# Allegro board FPGA.brd (continued)
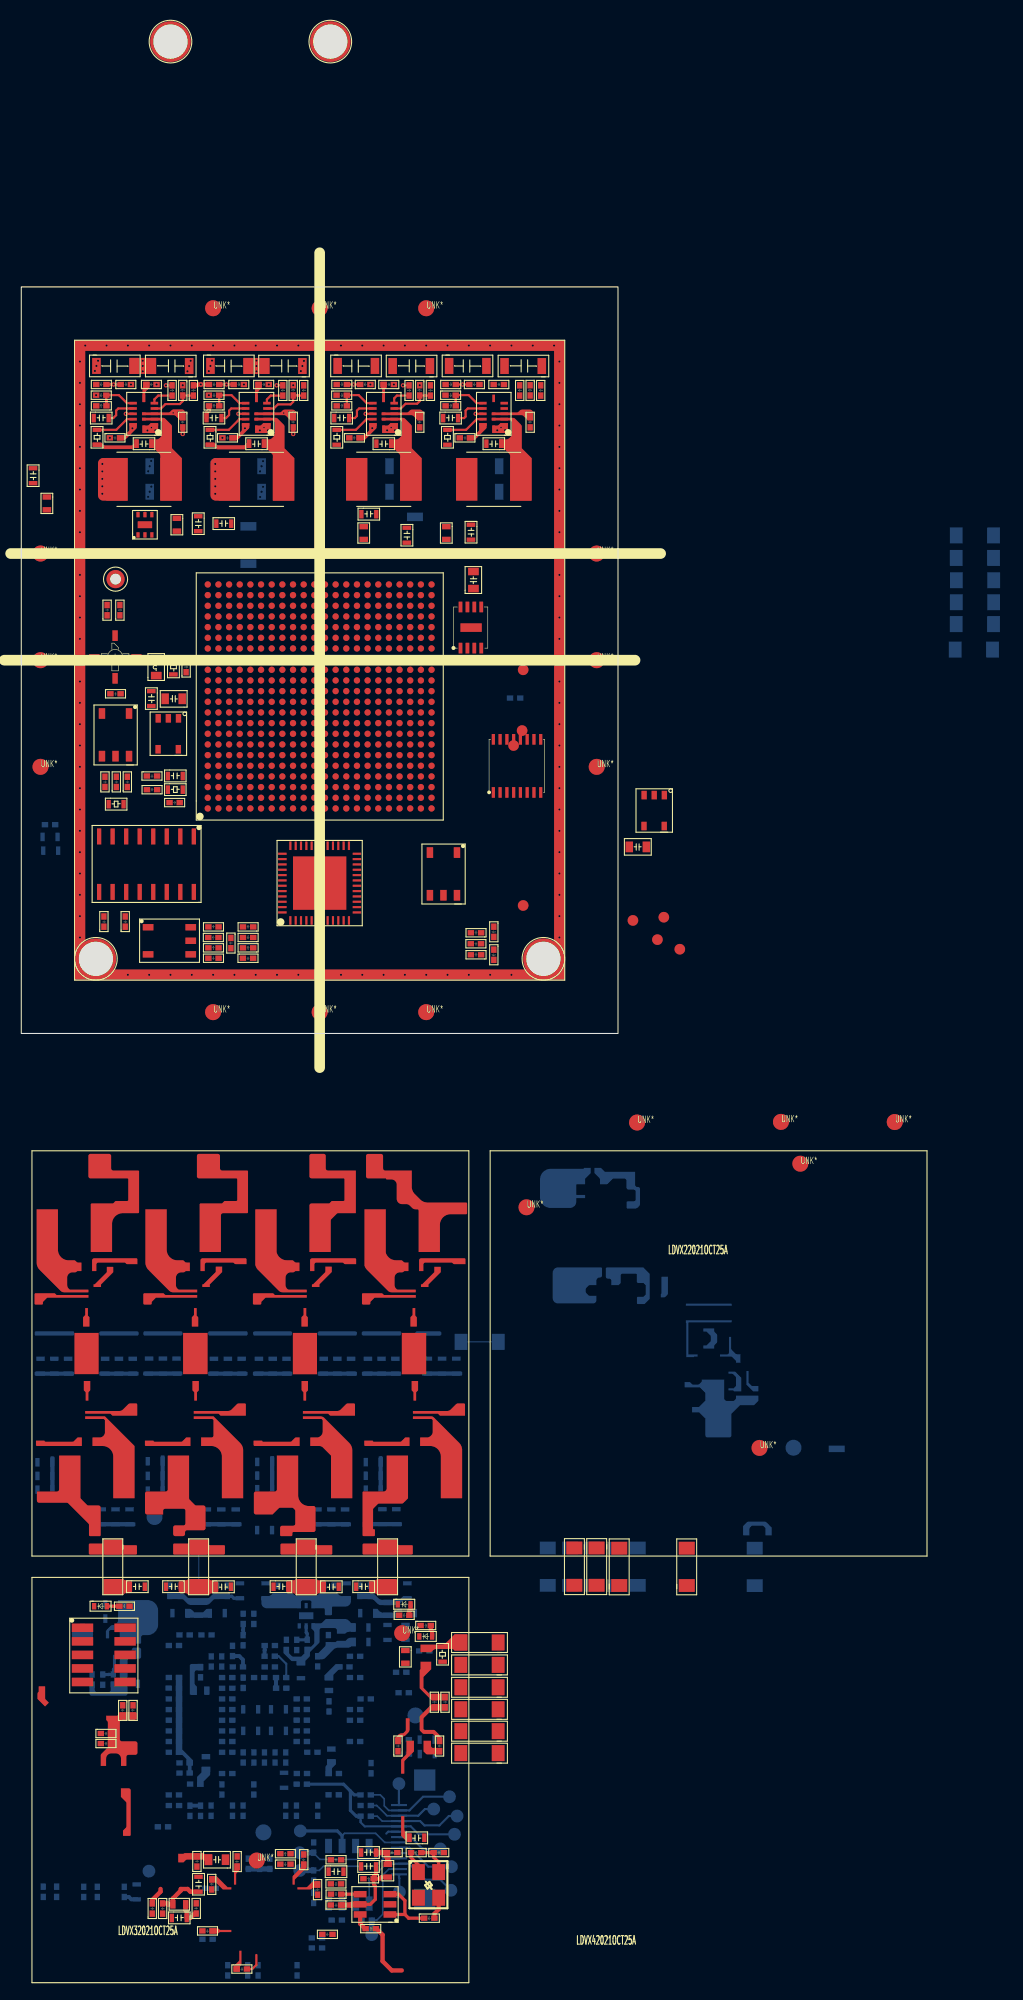
[diagram p0: board, top side]
## Nets (continued)
N8197482: R66.1 U14.5
N8200614: C126.2 L13.2 R129.1
N8200858: C127.2 L14.2 R130.1
N8201027: C128.2 L15.2 R131.1
N8201165: C129.2 L16.2 R132.1
N8449814: R317.2 U38.5(\PG\)
N8449940: R315.1 R316.2 U38.2
N8561901: R306.2 U36.5(\PG\)
N8561999: R304.1 R305.2 U36.2

Pads without a net: U18 8; U20 A3 A4 A5 A6 A7 A8 A9 A10 A11 A12 A13 A14 A19 A20 AA7 AA8 AA9 AA10 AA11 AA12 AA13 AA18 AA19 AA20 AA21 AB10 AB11 AB12 AB13 B1 B2 B3 B4 B5 B6 B7 B8 B9 B10 B11 B12 B13 B14 B19 B20 B21 C1 C2 C3 C4 C6 C7 C8 C10 C13 C15 C17 C19 C20 C21 C22 D2 D6 D7 D10 D13 D15 D17 D19 D20 D21 D22 E1 E3 E5 E6 E7 E9 E10 E11 E12 E13 E14 E15 E16 E21 E22 F1 F2 F7 F8 F9 F10 F11 F13 F14 F15 F16 F17 F19 F20 F21 F22 G3 G4 G5 G7 G8 G9 G10 G11 G13 G14 G15 G16 G17 G18 G21 G22 H1 H2 H5 H6 H7 H8 H10 H11 H14 H15 H16 H17 H18 H19 H20 H21 H22 J1 J2 J3 J4 J5 J6 J7 J8 J17 J18 J21 J22 K7 K8 K17 K18 K19 K21 K22 L6 L7 L8 L21 M3 M4 M5 M6 M7 M8 M16 M19 M20 M21 M22 N5 N6 N7 N8 N16 N17 N18 N19 N20 N21 N22 P3 P4 P5 P6 P7 P15 P16 P17 P20 P21 P22 R7 R14 R15 R16 R17 R18 R19 R20 R21 R22 T3 T4 T5 T7 T8 T9 T10 T11 T12 T13 T14 T15 T16 T17 T18 T21 T22 U7 U8 U9 U10 U11 U12 U13 U14 U15 U16 U17 U19 U20 U21 U22 V3 V6 V7 V8 V9 V10 V11 V12 V13 V14 V15 V16 V21 V22 W6 W7 W8 W10 W13 W14 W15 W17 W19 W20 W21 W22 Y6 Y7 Y8 Y10 Y13 Y17 Y21 Y22; U24 5 8 11 12; U33 43

## Via types
v1: diameter 0.4, hole 0.2, TOP to BOTTOM, 142 vias
v2: diameter 0.3, hole 0.15, TOP to BOTTOM, 8 vias
v3: diameter 0.4, hole 0.2, TOP to GND-L2, 25 vias
v4: diameter 0.4, hole 0.2, GND-L9 to BOTTOM, 12 vias

## Routing (per net, layer and track width the routed paths; a pad name or vN(x,y) marks a point on that pad's centre or on a via; arc(x,y) is an arc through that point)
3V3_FPGA: length 1.3
  BOTTOM w0.3: C456.2 19.36,-52.76 19.75,-52.76 19.95,-52.95 C455.2
3V3_FPGA_PWR: length 1.2
  TOP w0.36: C76.1 17.38,58.18 v1(17.57,58.36) 17.61,58.41 R76.2
  vias: v1(18.2,53.4) v1(18.2,52.7) v1(18.2,52) v1(18.2,51.3) v1(18.2,50.6)
5V_FPGA: length 0.4
  PWR-L6 w0.26: R317.1 6.65,-61.22 6.85,-61.42
5V_FPGA_PWR:
  vias: v1(7.6,53.4) v1(7.6,52.7) v1(7.6,52) v1(7.6,51.3) v1(7.6,50.6)
GND: length 41.5
  TOP w0.2: 22.06,-86.4 22.06,-87.33 21.67,-87.72 C242.2
  TOP w0.36: C80.2 v1(25.52,56.2) ; C79.2 v1(15.15,56.2)
  GND-L2 w0.1: 59.35,-24.63 60.95,-24.63 61.32,-25 ; 59.35,-24.63 59.72,-25 ; 59.35,-24.63 56.49,-24.63 56.37,-24.5 55.99,-24.5 ; 69.71,-32.61 71.37,-32.61 ; 69.71,-32.61 69.32,-33 ; 69.71,-32.61 66.51,-32.61 66.12,-33 ; 62.12,-29.8 61.74,-29.42 60.1,-29.42 59.72,-29.8 ; 64.52,-25 64.92,-24.61 65.72,-24.61 66.12,-25 ; 60.91,-22.99 62.51,-22.99 62.92,-23.4 ; 60.91,-22.99 59.31,-22.99 ; 60.91,-22.99 61.32,-23.4 ; 59.31,-22.99 55.56,-22.99 55.01,-23.54 ; 59.31,-22.99 59.72,-23.4 ; 67.72,-29.8 68.13,-29.39 68.91,-29.39 69.32,-29.8 ; 61.32,-26.6 60.92,-26.2 60.12,-26.2 59.72,-26.6
  BOTTOM w0.1: R231.2 R231.1 ; R289.1 R289.2
  BOTTOM w0.2: 34.26,-75.02 34.43,-74.84 J9.6
  vias: v1(5.5,63) v1(5.5,61) v1(5.5,59) v1(5.5,57) v1(5.5,55) v1(5.5,53) v1(5.5,51) v1(5.5,49) v1(5.5,47) v1(5.5,45) v1(5.5,43) v1(5.5,41) v1(5.5,39) v1(5.5,37) v1(5.5,35) v1(5.5,33) v1(5.5,31) v1(5.5,29) v1(5.5,27) v1(5.5,25) v1(5.5,23) v1(5.5,21) v1(5.5,19) v1(5.5,17) v1(5.5,15) v1(5.5,13) v1(5.5,11) v1(5.5,9) v1(6,64.5) v1(8,64.5) v1(10,64.5) v1(10,5.5) v1(11.84,56.54) v1(12,64.5) v1(12,5.5) v1(12.58,56.55) v1(14,64.5) v1(14,5.5) v1(16,64.5) v1(16,5.5) v1(18,64.5) v1(18,5.5) v1(20,64.5) v1(20,5.5) v1(22,64.5) v1(22,5.5) v1(22.39,56.54) v1(23.14,56.55) v1(24,64.5) v1(24,5.5) v1(26,64.5) v1(26,5.5) v1(28,64.5) v1(28,5.5) v1(30,64.5) v1(30,5.5) v1(32,64.5) v1(32,5.5) v1(34,64.5) v1(34,5.5) v1(34.33,56.55) v1(35.07,56.56) v1(36,64.5) v1(36,5.5) v1(38,64.5) v1(38,5.5) v1(40,64.5) v1(40,5.5) v1(42,64.5) v1(42,5.5) v1(44,64.5) v1(44,5.5) v1(44.67,56.56) v1(45.4,56.57) v1(46,64.5) v1(46,5.5) v1(48,64.5) v1(50,64.5) v1(50.5,63) v1(50.5,61) v1(50.5,59) v1(50.5,57) v1(50.5,55) v1(50.5,53) v1(50.5,51) v1(50.5,49) v1(50.5,47) v1(50.5,45) v1(50.5,43) v1(50.5,41) v1(50.5,39) v1(50.5,37) v1(50.5,35) v1(50.5,33) v1(50.5,31) v1(50.5,29) v1(50.5,27) v1(50.5,25) v1(50.5,23) v1(50.5,21) v1(50.5,19) v1(50.5,17) v1(50.5,15) v1(50.5,13) v1(50.5,11) v1(50.5,9) v2(12.21,56.81) v2(22.77,56.81) v2(34.71,56.81) v2(45.02,56.81) v3(6.91,62.12) v3(7.05,62.59) v3(7.02,59.85) v3(7.2,63.08) v3(8.31,55.85) v3(10.29,60.85) v3(12.69,60.85) v3(15.15,60.78) v3(15.59,62.08) v3(15.75,62.58) v3(15.89,63.08) v3(17.6,62.1) v3(17.6,59.85) v3(17.75,62.59) v3(17.9,63.09) v3(18.87,55.85) v3(20.89,60.85) v3(23.23,60.85) v3(25.52,60.78) v3(26.24,62.1) v3(26.38,62.58) v3(26.52,63.06) v3(32.76,60.85) v3(34.97,60.85) v3(37.39,60.78) v4(11.91,52.72) v4(11.9,50.32) v4(12.05,53.19) v4(12.05,50.79) v4(12.19,53.68) v4(12.2,51.27) v4(22.4,52.71) v4(22.41,50.3) v4(22.55,53.19) v4(22.55,50.79) v4(22.68,53.66) v4(22.69,51.26)
VBAT_IN: length 1.5
  TOP w0.36: R59.2 16.49,60.77 16.57,60.85 v1(16.84,60.85) 16.85,60.85 R51.2
  vias: v1(11.4,63.07) v1(11.4,62.59) v1(11.4,62.09) v1(14.76,58.25) v1(22.07,63.09) v1(22.07,62.58) v1(22.07,62.08) v1(25.12,58.25) v2(14.25,58.19) v2(15.18,58.25) v2(24.63,58.17) v2(25.53,58.25)
VCCA_2V5: length 26.5
  PWR-L6 w0.26: 27.32,-69.89 26.82,-69.38 C564.1
  PWR-L6 w0.3: 16.32,-67.89 15.82,-68.38 15.8,-68.38 ; 14.8,-60.39 15.3,-59.89 15.32,-59.89
  PWR-L6 w0.38: C473.2 28.82,-57.39 27.82,-58.38 C482.1 ; C578.2 26.82,-70.39 27.32,-69.89 ; C565.1 18.34,-69.89 18.32,-69.89 18.32,-69.9 C579.2 ; C483.1 C484.1 17.82,-58.39 17.32,-57.89 ; 16.82,-59.41 16.82,-59.39 16.32,-58.89
  BOTTOM w0.2: R356.1 31.84,-73.81 31.84,-73.81 31.84,-73.96 32.23,-74.34 J9.5 36.55,-74.34 37.29,-75.08 TP18.1
  BOTTOM w0.3: 30.89,-71.03 30.24,-70.39 C578.2 ; 30.89,-71.03 30.89,-72.84 31.43,-73.39 R356.1 ; 30.89,-71.03 31.24,-71.39 R352.1
VCCINT_1V2: length 20.9
  PWR-L6 w0.26: C486.2 22.82,-59.39 22.32,-59.89 ; 19.8,-60.39 19.81,-60.39 20.32,-59.89 ; 19.32,-66.89 19.8,-67.37 19.8,-67.39 ; 25.32,-65.89 25.82,-65.39 C529.2 ; C518.2 25.82,-63.39 25.32,-62.89 ; C548.2 26.82,-67.39 26.32,-67.89 ; 25.32,-66.89 24.82,-67.38 C554.2 ; 20.32,-62.89 20.81,-63.37 C517.2 ; 20.32,-62.89 19.82,-62.39 ; 20.32,-62.89 19.82,-63.39 19.8,-63.39 ; 24.32,-66.89 23.82,-67.39 C555.2 ; C531.2 20.82,-65.39 20.32,-64.89 19.82,-65.39 19.8,-65.39 ; C557.2 21.82,-67.38 22.32,-66.89 ; 19.82,-62.39 19.8,-62.39 ; 19.82,-62.39 20.32,-61.89 19.82,-61.39 19.8,-61.39 ; C502.2 20.82,-61.39 21.32,-61.89 ; C522.2 26.32,-63.91 26.32,-63.89 ; 25.32,-61.89 25.82,-62.39 C509.2 ; 21.32,-66.89 20.82,-67.38 C558.2 ; 19.8,-66.38 19.82,-66.38 20.32,-65.89 ; 21.32,-60.89 21.82,-60.39 C499.2 ; 24.83,-63.37 24.83,-63.4 25.32,-63.89 ; C530.2 24.83,-65.37 25.32,-64.89 ; 19.8,-64.39 19.82,-64.39 20.32,-63.89 ; 23.32,-66.89 22.82,-67.39 C556.2 ; C542.2 26.32,-65.91 26.32,-65.89
  PWR-L6 w0.38: 28.32,-69.89 28.82,-69.38 28.85,-69.38 ; 29.84,-59.39 29.82,-59.39 29.32,-58.89
VCCIO_3V3: length 65.8
  TOP w0.5: C191.2 C192.2 34.33,-77.24 34.4,-77.31 L21.1
  SIGNAL-L4 w0.26: 31.32,-61.89 28.6,-61.89 28.16,-61.45 ; 25.32,-57.89 26.32,-57.89 ; 26.32,-57.89 27.32,-56.89 29.32,-56.89 29.77,-56.44 30.87,-56.44 31.32,-56.89 ; 26.32,-57.89 26.32,-59.6 28.16,-61.45 ; 26.32,-57.89 24.86,-59.34 R314.2 ; 30.32,-59.89 29.73,-59.89 28.16,-61.45
  PWR-L6 w0.26: C465.2 15.04,-54.89 12.32,-54.89 11.47,-55.74 10.89,-55.74 10.88,-55.72 J4.10 ; 33.32,-54.89 31.32,-56.89 ; 30.32,-57.89 30.32,-59.89
  PWR-L6 w0.3: 15.32,-64.89 14.82,-65.39 C533.2 ; 16.32,-56.89 15.82,-56.39 C471.1 ; 19.32,-71.89 19.82,-72.39 C587.1 ; 17.32,-71.89 17.82,-72.38 C588.1 ; 30.32,-64.89 30.82,-64.39 C524.2 ; 18.32,-56.89 18.32,-56.85 C470.2 ; C581.2 14.82,-71.39 15.32,-70.89 ; C593.1 12.81,-74.38 12.32,-73.89 ; R351.1 21.82,-71.38 20.82,-72.39 C586.1 ; C519.2 30.82,-63.39 30.32,-63.89 ; C561.2 32.82,-69.38 32.32,-69.89 ; 15.32,-63.89 14.82,-64.39 C523.2 ; C585.1 24.82,-72.38 24.32,-71.89 ; 30.32,-57.89 30.82,-58.39 C481.2 ; 15.32,-57.89 14.82,-57.39 C478.2 ; C580.2 29.82,-71.38 ; 29.82,-71.38 29.82,-71.38 30.32,-70.89 ; 29.82,-71.38 30.32,-71.89 ; 15.32,-71.89 14.82,-72.39 C582.1 ; 30.32,-66.89 30.82,-66.39 C544.2 ; 15.32,-61.89 14.82,-62.39 C510.2 ; 31.32,-61.89 31.82,-62.39 C512.2 ; 32.8,-74.39 32.82,-74.39 33.32,-73.89 ; 28.32,-71.89 27.82,-72.39 C583.1 ; C549.2 14.82,-67.39 15.32,-66.89 ; C584.1 25.82,-72.38 26.32,-71.89
  PWR-L6 w0.36: C500.2 30.82,-60.39 30.32,-59.89
  PWR-L6 w0.38: 34.4,-79.1 34.8,-79.5 38.3,-79.5 39.17,-78.63
  BOTTOM w0.2: R314.2 24.86,-59.1 24.15,-58.38 R311.2 ; TP25.1 35.48,-79.21 35.45,-79.17 J9.14
  BOTTOM w0.36: C562.2 C559.2
  BOTTOM w0.5: C597.2 C598.2 C599.2
ADC_3V3: length 2.4
  TOP w0.4: L22.2 15.43,-82.24 15.53,-82.34 C214.2 15.86,-82.93 16.27,-82.52 C213.2
ASDO: length 4.3
  BOTTOM w0.2: J9.7 36.55,-75.34 37.66,-76.46 TP19.1
CLK_3V3: length 11.3
  TOP w0.3: U32.5 32.76,-81.65 33.22,-81.19 33.22,-79.93 33.07,-79.78 C206.2 ; R166.2 C193.2 38.7,-77.23 39.17,-77.7 39.17,-78.63
  TOP w0.36: L21.2 33.79,-79.1 33.64,-79.25 C206.2 33.07,-79.03 33.3,-78.8 33.3,-78.11 C204.2
  TOP w0.5: U32.5 31.02,-81.65 30.96,-81.72 C210.2
CONF_DONE: length 8
  BOTTOM w0.15: R375.1 33.37,-83.14 33.92,-82.58 33.92,-78.92 34.49,-78.34 J9.13
  BOTTOM w0.5: TP26.1 R375.1
DATA0: length 5.7
  BOTTOM w0.2: J9.9 36.42,-76.34 38.2,-78.13 TP21.1
DCLK: length 10.9
  BOTTOM w0.16: J9.8 34.1,-75.84 33.25,-74.99 30.33,-74.99 30.11,-75.22
  BOTTOM w0.3: TP17.1 29.65,-74.77 30.11,-75.22 30.11,-76.18
LDO_3V3: length 4.5
  TOP w0.4: C207.2 15.87,-80.47 15.61,-80.21 14.97,-80.21 14.97,-80.36 14.23,-81.1 L22.1 13.78,-81.65 13.7,-81.56 C212.2
MSEL0: length 1
  BOTTOM w0.38: R319.2 23.9,-61.38 R314.1
MSEL1: length 1
  BOTTOM w0.36: R307.2 22.84,-57.81 22.83,-57.82 R311.1
MSEL2: length 1.8
  BOTTOM w0.36: 20.8,-59.38 20.8,-58.72 20.46,-58.38 R310.1
MSEL3: length 1
  BOTTOM w0.36: R295.1 20.82,-55.93 20.82,-55.93 R294.2
NCE: length 9.9
  BOTTOM w0.15: R357.1 27.44,-76.86 28.02,-77.44 33.08,-77.44 33.67,-76.84 J9.10
  BOTTOM w0.5: TP20.1 26.9,-76.81 26.9,-76.81 R357.1
NCONFIG: length 9.8
  BOTTOM w0.15: R362.1 27.97,-78.47 28.36,-78.08 33.24,-78.08 33.98,-77.34 J9.11
  BOTTOM w0.5: R362.1 26.91,-78.47 26.91,-78.48 TP22.1
NCSO: length 11.5
  BOTTOM w0.15: U49.1 32.65,-79.45 34.25,-77.84 J9.12
  BOTTOM w0.2: TP24.1 39.31,-79.33 37.89,-79.33 36.4,-77.84 J9.12
Net_5: length 7.1
  PWR-L6 w0.2: 74.05,-70.65 74.45,-70.65 75.3,-69.8 75.3,-68.5 74.68,-68.5 74.43,-68.75 74.05,-68.75
  PWR-L6 w0.3: 69.9,-69.7 69.9,-70.08 69.68,-70.3 69.68,-70.85 70.06,-70.85 70.27,-70.64 71.15,-70.64
Net_6: length 12.2
  PWR-L6 w0.2: 62.7,-70.05 62.7,-70.37 62.5,-70.57 62.5,-71.3
  PWR-L6 w0.3: 66.08,-68.55 66.08,-67.98 66.31,-67.76 66.31,-67.39 65.67,-67.39 65.19,-66.9 64.4,-66.9 ; 47.64,-79.19 47.64,-78.62 47.38,-78.37 47.38,-77.89 ; 81.88,-74.2 81.88,-75.13 82.02,-75.26 82.02,-76.28 ; 64.4,-59.4 62.75,-59.4 62.28,-58.93 61.45,-58.93 ; 50.51,-56.59 50.51,-56.88 50.35,-57.04 50.35,-57.31
Net_8: length 0.6
  PWR-L6 w0.3: 66.92,-24.2 66.91,-24.2 66.52,-23.81
Net_9: length 1.1
  PWR-L6 w0.2: 63.32,-31.8 63.31,-31.8 62.92,-31.4 ; 62.12,-31.4 62.52,-31.8 62.52,-31.8
Net_11: length 2.2
  PWR-L6 w0.26: 66.52,-28.6 66.12,-28.2 66.12,-28.2 ; 66.12,-29.8 66.51,-30.19 ; 65.32,-29.8 65.33,-29.8 65.72,-30.19 ; 66.52,-29.4 66.12,-29 66.12,-29
Net_14: length 56.6
  PWR-L6 w0.2: 62.6,-16.07 63.3,-15.36 63.3,-14.34 ; 67.71,-15.23 69.41,-15.23 70.1,-14.53 70.1,-12.6 ; 65.7,-17.8 65.3,-17.4 65.3,-16.6
  PWR-L6 w0.22: 62.1,-12.6 61.53,-12.6 61.41,-12.72 61.46,-12.77 61.46,-12.84 ; 67.7,-18.15 67.66,-18.19 67.12,-18.19 66.9,-17.96 66.9,-15.78 66.34,-15.23 ; 67.71,-15.23 68.51,-16.02 68.51,-18.2 68.34,-18.37 68.34,-18.83 68.67,-19.16 68.86,-19.16 68.89,-19.19 ; 64.1,-18.6 64.1,-19.11 63.87,-19.33 63.87,-19.93 ; 63.48,-16.07 63.76,-16.35 63.76,-16.97 63.92,-17.13 64.22,-17.13 64.5,-17.41 ; 61.6,-16.07 61.3,-15.77 61.3,-12.84 61.06,-12.6 60.5,-12.6 ; 69.7,-12.2 69.13,-11.63 68.1,-11.63 ; 63.72,-13.38 63.75,-13.41 64.29,-13.41 64.51,-13.64 64.51,-13.96 64.74,-14.19 65.06,-14.19 65.29,-13.96 65.29,-13.64 65.51,-13.41 66.06,-13.41 ; 63.72,-13.38 63.3,-13.8 ; 63.72,-13.38 63.72,-13.38 63.86,-13.23 63.86,-12.77 63.72,-12.62 63.72,-12.58 64.1,-12.2
  PWR-L6 w0.25: 65.3,-16.6 64.77,-16.07 64.17,-16.07
  PWR-L6 w0.26: 62.52,-25.43 62.49,-25.43 62.12,-25.8 ; 64.52,-25.8 64.55,-25.8 64.92,-25.43 ; 66.52,-25.43 66.15,-25.8 66.12,-25.8 ; 63.72,-25.8 64.09,-25.43 64.12,-25.43 ; 63.32,-25.43 63.29,-25.43 62.92,-25.8 ; 65.32,-25.8 65.36,-25.8 65.72,-25.43
  PWR-L6 w0.3: 61.6,-16.07 64.17,-16.07 65.01,-15.23 67.71,-15.23 ; 68.1,-11.63 68.1,-11.63 68.1,-12.2 ; 64.1,-17.8 64.11,-17.8 64.5,-17.41 ; 60.9,-12.2 60.9,-12.2 60.5,-12.6 ; 68.1,-18.6 67.7,-18.2 67.7,-18.15 ; 58.5,-13 58.06,-13.44 58.06,-13.44 ; 60.1,-18.6 59.7,-19 ; 65.7,-13 65.7,-13.05 66.08,-13.44 ; 63.3,-13.8 63.3,-13.81 63.3,-14.34 ; 69.7,-18.6 69.11,-19.19 68.89,-19.19 ; 70.1,-12.6 69.7,-12.2 ; 59.3,-17.8 59.3,-17.8 58.9,-17.4 ; 63.98,-11.63 63.98,-11.85 64.1,-11.97 64.1,-12.2 ; 66.5,-12.2 66.9,-12.6 ; 62.1,-12.6 61.7,-12.2 ; 62.4,-19.15 62.4,-18.91 62.5,-18.81 62.5,-18.6 ; 67.7,-13.44 67.3,-13.03 67.3,-13 ; 58.5,-18.6 58.9,-18.2 58.9,-18.2
  PWR-L6 w0.5: 55.45,-13.3 54.67,-12.51 54.67,-11.77 53.67,-11.77
Net_20: length 1.1
  PWR-L6 w0.26: 72.22,-46.22 72.65,-45.8 72.65,-45.34
Net_22: length 7.7
  PWR-L6 w0.26: 53.54,-41.91 52.93,-41.29 51.49,-41.29 51.23,-41.55 51.23,-41.58 50.9,-41.91 50.2,-41.91 49.65,-41.36 ; 56.11,-39.59 56.11,-40.81 56.02,-40.89 55.97,-40.84 55.27,-40.84 54.56,-41.55
Net_27: length 2.3
  PWR-L6 w0.26: 64.1,-27.8 63.72,-28.18 63.72,-28.2 ; 64.1,-29.4 64.12,-29.4 64.52,-29 64.92,-29.4 64.92,-29.4 ; 65.32,-28.2 64.92,-27.8 64.92,-27.8
Net_33: length 8.1
  PWR-L6 w0.2: 64.52,-27.4 64.52,-27.33 64.92,-26.93 ; 66.32,-27.2 65.87,-27.2 65.6,-26.93 64.92,-26.93 ; 62.91,-28.2 62.53,-27.81 62.53,-27.77 62.67,-27.63 62.67,-27.17 62.53,-27.03 62.53,-26.98 63.12,-26.98 63.13,-26.99 64.08,-26.99 64.14,-26.93 64.92,-26.93 ; 65.32,-27.4 65.32,-27.33 64.92,-26.93
  PWR-L6 w0.3: 63.51,-26.99 63.51,-27.19 63.72,-27.4 ; 62.92,-27.4 62.92,-27.38 62.53,-26.98 ; 66.32,-27.2 66.12,-27.4 66.12,-27.4 ; 62.92,-28.2 62.91,-28.2
Net_44: length 111.2
  PWR-L6 w0.1: 60.91,-31 60.91,-30.99 60.52,-30.6
  PWR-L6 w0.2: 60.52,-30.6 60.52,-30.63 60.83,-30.94 60.83,-31 ; 59.72,-32.2 59.32,-31.8 59.3,-31.8 ; 59.3,-32.6 59.32,-32.6 59.72,-33
  PWR-L6 w0.22: 70.77,-24.2 71.92,-24.2 75.58,-20.53 75.58,-17.01 ; 70.77,-22.2 72.33,-22.2 74.33,-20.2 74.33,-15.91 ; 70.77,-21.2 71.39,-21.2 73.11,-19.47 73.11,-17.03 73.36,-16.78 73.36,-16.32 73.11,-16.07 73.11,-15.91 ; 79.27,-15.9 79.27,-16.23 79.36,-16.32 79.36,-16.78 79.27,-16.87 79.27,-22.77 73.84,-28.2 71.75,-28.2 ; 78.06,-15.9 78.06,-21.96 72.82,-27.2 71.75,-27.2 ; 70.77,-26.2 71.79,-26.2 76.86,-21.13 76.86,-15.91 ; 71.89,-15.91 71.89,-19.42 71.11,-20.2 70.77,-20.2
  PWR-L6 w0.26: 67.72,-26.6 67.32,-26.2 67.32,-26.2 ; 56.46,-28.49 55.88,-28.49 55.64,-28.25 ; 70.77,-25.2 70.77,-24.69 70.69,-24.61 70.6,-24.61 68.35,-22.36 65.51,-22.36 65.11,-22.76 65.11,-23.51 64.82,-23.8 ; 55.64,-28.25 55.64,-28.28 53.79,-30.13 53.79,-31.33 54.05,-31.59 55.31,-31.59 55.74,-32.02 55.74,-33.42 55.28,-33.88 ; 55.64,-28.25 55.64,-26.19 55.16,-25.7 ; 60.52,-30.6 60.09,-31.03 59.38,-31.03 58.98,-30.64 58.76,-30.64 58.71,-30.69 58.33,-30.69 58.07,-30.42 58.07,-30.35 57.93,-30.22 57.67,-30.22
  PWR-L6 w0.3: 55.22,-32.16 52.77,-32.16 51.78,-31.18 ; 54.2,-30.98 55.95,-30.98 55.95,-30.98 56.28,-30.98 56.28,-31.31 56.18,-31.41 56.18,-32.16 ; 69.32,-24.2 68.37,-24.2 68.07,-24.5 68.07,-24.98
  PWR-L6 w0.38: 60.25,-45.4 59.76,-45.4 59.6,-45.23
Net_45: length 5.9
  PWR-L6 w0.26: 52.82,-23.42 52.82,-21.09 53.47,-20.44 53.47,-19.18
  PWR-L6 w0.3: 50.01,-15.13 50.01,-14.41 50.49,-13.93
Net_75: length 0.8
  PWR-L6 w0.3: 55.73,-74.63 55.73,-75.45
Net_77: length 2.5
  PWR-L6 w0.3: 77.3,-74.1 77.3,-75.44 77.78,-75.92 77.78,-76.41
TCK: length 6.6
  BOTTOM w0.16: R353.2 33.36,-72.39 34.31,-73.34 J9.3
  BOTTOM w0.2: J9.3 37.25,-73.34 37.88,-72.72 TP15.1
TDI: length 8.8
  BOTTOM w0.16: R356.2 33.4,-73.39 33.86,-73.84 J9.4
  BOTTOM w0.2: TP16.1 40.12,-73.37 39.24,-74.25 37.84,-74.25 37.43,-73.84 J9.4
TDO: length 2
  BOTTOM w0.2: TP13.1 35.44,-72.01 35.45,-72.02 J9.1
TMS: length 8.9
  BOTTOM w0.16: J9.2 34.49,-72.84 34.06,-72.41 34.06,-71.76 33.69,-71.39 R352.2
  BOTTOM w0.2: J9.2 36.42,-72.84 37.7,-71.57 TP14.1
N7455499: length 1.1
  TOP w0.38: D11.2 36.53,-54 36.41,-54.12 R136.2
N7455557: length 1.1
  TOP w0.38: R137.2 38.43,-55.93 38.55,-56.05 38.55,-56.53
N7467286: length 1
  BOTTOM w0.36: C589.2 R355.2
N7498655: length 1.7
  TOP w0.4: C211.2 12.29,-81.24 13.07,-80.47 13.07,-80.21
N7580852: length 1.3
  BOTTOM w0.36: R364.1 10.32,-81.19 10.1,-80.97 C604.1
N7586253: length 2.1
  TOP w0.3: R166.1 36.58,-77.28 37.27,-77.97 Y4.1
N7586496: length 2.1
  TOP w0.38: 39.17,-81.03 39.17,-82.12 38.77,-82.52 R185.2
N7586806: length 6.3
  TOP w0.3: U32.3 35.4,-80.7 36,-81.3 36,-82.6 ; 36,-82.6 36.35,-82.95 R185.1 ; 36,-82.6 U32.1
N7587007: length 1.8
  TOP w0.3: R177.1 30.5,-80.7 U32.4
N7587454: length 1.6
  TOP w0.4: R188.1 32.26,-83.93 31.8,-83.46 U32.6
N7587591: length 5.5
  TOP w0.4: 35.7,-87.85 34.77,-87.85 33.9,-86.98 33.9,-84.51 33.32,-83.93 R188.2
N7921484: length 1.2
  TOP w0.3: D12.2 R133.2
N8196940: length 4.5
  TOP w0.2: U11.4 13.11,58.6 13.53,59.02 14.87,59.02 15.15,59.29 R58.2 15.63,59.82 15.64,59.81 R59.1
N8196944: length 5.5
  TOP w0.2: R49.1 v1(8.66,60.85) R50.2 ; U11.9 v1(9.81,58.1)
  SIGNAL-L3 w0.2: v1(9.81,58.1) 9.38,58.1 8.66,58.82 v1(8.66,60.85)
N8196950: length 9.6
  TOP w0.2: R57.2 v1(13.57,60.77)
  SIGNAL-L4 w0.2: v1(10.43,56.74) 9.58,56.74 9.05,57.27 9.05,59.68 9.65,60.29 13.09,60.29 v1(13.57,60.77)
N8196956: length 2.2
  TOP w0.2: R57.1 12.85,59.81 12.49,59.45 U11.5
N8197004: length 3.8
  TOP w0.2: R86.1 8.91,56.6 9.91,57.6 U11.10
N8197022: length 2.9
  TOP w0.2: C75.2 8.63,57.7 8.9,57.97 8.9,58.4 9.1,58.6 U11.8
N8197032: length 3.8
  TOP w0.2: R75.1 7.99,59.36 7.98,59.37 R69.2 9.16,59.85 9.91,59.1 U11.7
N8197074: length 3.8
  TOP w0.2: U12.10 20.47,57.6 19.47,56.6 R87.1
N8197146: length 4.3
  TOP w0.2: R62.1 26,59.81 25.99,59.82 R61.2 25.52,59.23 25.27,58.98 24.08,58.98 23.7,58.6 U12.4
N8197148: length 5.5
  TOP w0.2: R52.2 v1(19.25,60.85) R51.1 ; v1(20.37,58.1) U12.9
  SIGNAL-L3 w0.2: v1(19.25,60.85) 19.25,58.79 19.95,58.1 v1(20.37,58.1)
N8197154: length 2.9
  TOP w0.2: U12.8 19.7,58.6 19.5,58.4 19.5,57.99 19.21,57.7 C76.2
N8197166: length 3.8
  TOP w0.2: U12.7 20.47,59.1 19.72,59.85 R70.2 18.56,59.37 18.57,59.36 R76.1
N8197176: length 9.3
  TOP w0.2: R60.2 v1(23.96,60.77)
  SIGNAL-L4 w0.2: v1(23.96,60.77) 23.47,60.28 20.17,60.28 19.68,59.78 19.68,57.27 20.19,56.75 v1(20.99,56.75)
N8197194: length 2
  TOP w0.2: R60.1 23.41,59.81 23.05,59.45 U12.5
N8197218: length 3.8
  TOP w0.2: U13.10 32.4,57.6 31.4,56.6 R88.1
N8197290: length 4.2
  TOP w0.2: U13.4 35.62,58.6 36.07,59.05 37.15,59.05 37.39,59.29 R64.2 37.87,59.82 37.88,59.81 R65.1
N8197292: length 5.4
  TOP w0.2: R53.1 v1(31.18,60.85) R54.2 ; U13.9 v1(32.32,58.1)
  SIGNAL-L3 w0.2: v1(32.32,58.1) 31.87,58.1 31.18,58.79 v1(31.18,60.85)
N8197298: length 2.9
  TOP w0.2: U13.8 31.7,58.6 31.5,58.4 31.5,57.9 31.3,57.7 C77.2
N8197310: length 3.8
  TOP w0.2: R77.1 30.56,59.36 30.55,59.37 R71.2 31.67,59.85 32.42,59.1 U13.7
N8197320: length 9.3
  TOP w0.2: R63.2 v1(35.82,60.77)
  SIGNAL-L4 w0.2: v1(32.94,56.76) 31.9,56.76 31.49,57.16 31.49,59.4 32.38,60.28 35.33,60.28 v1(35.82,60.77)
N8197338: length 2
  TOP w0.2: R63.1 35.25,59.81 34.99,59.55 U13.5
N8197362: length 3.7
  TOP w0.2: R89.1 41.74,56.6 42.74,57.6 U14.10
N8197436: length 5.5
  TOP w0.2: U14.9 v1(42.64,58.1) ; 42.04,60.85 v1(41.42,60.85) R55.1
  SIGNAL-L3 w0.2: v1(41.42,60.85) 41.42,58.78 42.1,58.1 42.21,58.1 42.22,58.1 v1(42.64,58.1)
N8197442: length 3
  TOP w0.2: C78.2 41.55,57.7 41.7,57.84 41.7,58.4 41.9,58.6 U14.8
N8197454: length 3.9
  TOP w0.2: R78.1 40.78,59.33 40.77,59.34 R72.2 41.99,59.85 42.74,59.1 U14.7
N8449940: length 2.8
  BOTTOM w0.28: 8.74,-58.36 8.74,-59.52 8.64,-59.62 R315.1
  BOTTOM w0.3: R315.1 8.21,-60.09 8.2,-60.1 R316.2
N8561999: length 2.3
  BOTTOM w0.3: R305.2 26.82,-56.85 R304.1 26.83,-56.27 26.74,-56.17 U36.2

## Copper pours and planes (outline as drawn; the poured copper is in the pictures)
1V2_FPGA on BOTTOM (solid shape): 33.51,-52.95 33.68,-53.06 33.87,-53.1 35.28,-53.1 35.47,-53.06 35.63,-52.95 35.83,-52.75 36.63,-52.75 36.63,-53.15 35.83,-53.15 35.53,-53.45 35.37,-53.56 35.18,-53.6 33.77,-53.6 33.58,-53.56 33.41,-53.45 33.14,-53.18 32.98,-53.07 32.79,-53.03 31.53,-53.03 31.53,-52.43 33,-52.43
1V2_FPGA on PWR-L6: 31.37,-51.14 31.37,-53.18 31.52,-53.33 32.97,-53.33 33.04,-53.25 33.36,-53.25 33.74,-53.63 35.13,-53.63 35.47,-53.29 36.73,-53.29 36.9,-53.13 36.9,-51.16 36.85,-51.11 31.39,-51.11
1V2_FPGA_PWR on TOP (solid shape): 36.29,-43.58 35.86,-44.01 35.8,-44.05 35.72,-44.07 33.59,-44.07 33.51,-44.09 33.45,-44.13 33.07,-44.51 33.03,-44.57 33.01,-44.65 33.01,-46.47 33.02,-46.48 33.09,-46.48 33.16,-46.51 33.19,-46.58 33.19,-47.03 33.16,-47.1 33.09,-47.13 32.12,-47.13 32.05,-47.1 32.02,-47.03 32.02,-43.05 32.05,-42.97 32.12,-42.94 33.99,-42.94 34.21,-42.86 34.29,-42.64 34.29,-39.58 36.29,-39.58
2V5_FPGA on BOTTOM (solid shape): 30.37,-54.9 30.56,-54.94 30.73,-55.04 30.98,-55.3 31.38,-55.3 31.38,-56.1 30.78,-56.1 30.59,-56.13 30.43,-56.24 30.42,-56.25 29.62,-56.25 29.62,-55.95 29.56,-55.81 29.42,-55.75 28.19,-55.75 28.05,-55.81 27.99,-55.95 27.99,-57.02 27.97,-57.1 27.93,-57.16 27.08,-58.01 27.08,-58.33 27.07,-58.4 27.03,-58.47 26.64,-58.85 26.64,-59.25 25.84,-59.25 25.84,-58.85 25.44,-58.85 25.37,-58.83 25.3,-58.79 24.63,-58.11 24.63,-57.51 25.13,-57.51 25.13,-58.11 25.38,-58.37 25.45,-58.41 25.52,-58.43 26.18,-58.43 26.25,-58.41 26.32,-58.37 26.58,-58.1 26.58,-57.5 27.1,-57.5 27.18,-57.49 27.24,-57.44 27.43,-57.26 27.47,-57.19 27.49,-57.12 27.49,-56.13 27.47,-56.05 27.43,-55.99 27.24,-55.79 27.24,-55.29 28.09,-55.29 28.17,-55.28 28.23,-55.24 28.57,-54.9
2V5_FPGA_IN on BOTTOM (solid shape): 25.53,-52.47 25.58,-52.62 25.73,-52.67 27.74,-52.67 27.88,-52.62 27.94,-52.47 27.94,-52.43 29.61,-52.43 29.78,-52.61 29.94,-52.71 30.13,-52.75 30.93,-52.75 30.93,-53.23 30.79,-53.58 30.43,-53.73 29.26,-53.73 29.19,-53.76 29.16,-53.83 29.16,-54.44 29.13,-54.51 29.06,-54.54 28.58,-54.54 28.51,-54.51 28.48,-54.44 28.48,-53.99 28.45,-53.92 28.38,-53.89 27.24,-53.89 27.24,-53.35 27.18,-53.21 27.04,-53.15 26.44,-53.15 26.29,-53.21 26.24,-53.35 26.24,-53.89 23.03,-53.89 22.68,-53.75 22.53,-53.39 22.53,-52.75 23.13,-52.75 23.32,-52.71 23.48,-52.61 23.51,-52.58 23.67,-52.47 23.86,-52.43 25.53,-52.43
2V5_FPGA_IN on PWR-L6: 22.91,-54.13 28.01,-54.13 28.41,-54.52 30.09,-54.52 31.16,-53.45 31.16,-51.18 31.11,-51.14 21.85,-51.14 21.48,-51.51 21.48,-52.69
2V5_FPGA_PWR on TOP (solid shape): 25.98,-43.3 26.28,-44.01 26.98,-44.3 27.41,-44.3 27.55,-44.36 27.61,-44.5 27.61,-46.54 27.55,-46.69 27.41,-46.74 25.54,-46.74 25.47,-46.77 25.44,-46.84 25.44,-47.03 25.41,-47.1 25.34,-47.13 24.39,-47.13 24.32,-47.1 24.29,-47.03 24.29,-46.35 24.35,-46.21 24.49,-46.15 25.51,-46.15 25.65,-46.09 25.71,-45.95 25.71,-44.78 25.7,-44.71 25.65,-44.64 25.54,-44.52 25.47,-44.48 25.39,-44.46 24.3,-44.46 24.22,-44.48 24.16,-44.52 23.58,-45.1 22.03,-45.1 21.88,-45.04 21.83,-44.9 21.83,-43.14 21.88,-43 22.03,-42.94 23.79,-42.94 23.93,-42.89 23.98,-42.75 23.98,-39.58 25.98,-39.58
3V3_FPGA on BOTTOM (solid shape): 15.6,-52.88 15.66,-52.92 15.74,-52.94 17.52,-52.94 17.59,-52.92 17.66,-52.88 18.11,-52.43 19.58,-52.43 19.58,-53.03 18.19,-53.03 18.11,-53.05 18.05,-53.09 17.7,-53.44 17.53,-53.55 17.34,-53.59 15.91,-53.59 15.72,-53.55 15.56,-53.44 15.21,-53.09 15.15,-53.05 15.07,-53.03 13.7,-53.03 13.7,-52.43 15.15,-52.43
3V3_FPGA on PWR-L6: 13.05,-51.17 13.05,-52.89 13.75,-53.59 17.55,-53.59 18.05,-53.09 20.38,-53.09 21.01,-52.46 21.01,-51.61 20.5,-51.09 13.13,-51.09
3V3_FPGA_PWR on TOP (solid shape): 15.74,-43.58 15.76,-43.65 15.8,-43.72 16.28,-44.2 16.35,-44.24 16.42,-44.25 17.09,-44.25 17.23,-44.31 17.29,-44.45 17.29,-46.38 17.23,-46.52 17.09,-46.58 15.56,-46.58 15.42,-46.64 15.37,-46.78 15.37,-46.93 15.31,-47.07 15.16,-47.13 14.45,-47.13 14.31,-47.07 14.25,-46.93 14.25,-46.61 14.25,-46.32 14.31,-46.18 14.45,-46.12 15.2,-46.12 15.35,-46.06 15.4,-45.92 15.4,-44.76 15.35,-44.62 15.2,-44.56 13.51,-44.56 13.37,-44.62 13.31,-44.76 13.31,-45.1 11.81,-45.1 11.67,-45.04 11.61,-44.9 11.61,-43.14 11.67,-43 11.81,-42.94 13.54,-42.94 13.69,-42.89 13.74,-42.75 13.74,-39.58 15.74,-39.58
3V3_IF on PWR-L6: 1.56,-69.99 10.04,-69.99 10.53,-70.48 10.53,-78.59 11.38,-79.44 11.38,-83.4 10.91,-83.87 10.32,-83.87 9.31,-84.88 9.31,-88.46 1.56,-88.46
5V_FPGA on TOP (solid shape): 17.02,-76.85 17.09,-76.87 17.16,-76.91 17.21,-76.97 17.91,-76.97 17.91,-77.97 17.21,-77.97 17.21,-77.65 17.16,-77.51 17.01,-77.45 15.57,-77.45 15.49,-77.47 15.43,-77.51 15.23,-77.71 14.73,-77.71 14.73,-76.91 15.23,-76.91 15.29,-76.87 15.37,-76.85
